# Altium PCB SMPSProject.PcbDoc
Units mil, origin at the board's own origin, x right, y up, seen from the top; angles counter-clockwise.
Board outline 6550 x 4800 mil, 2 copper layers (Top Layer, Bottom Layer); 66 components, 50 nets, 235 pads, 21 vias.
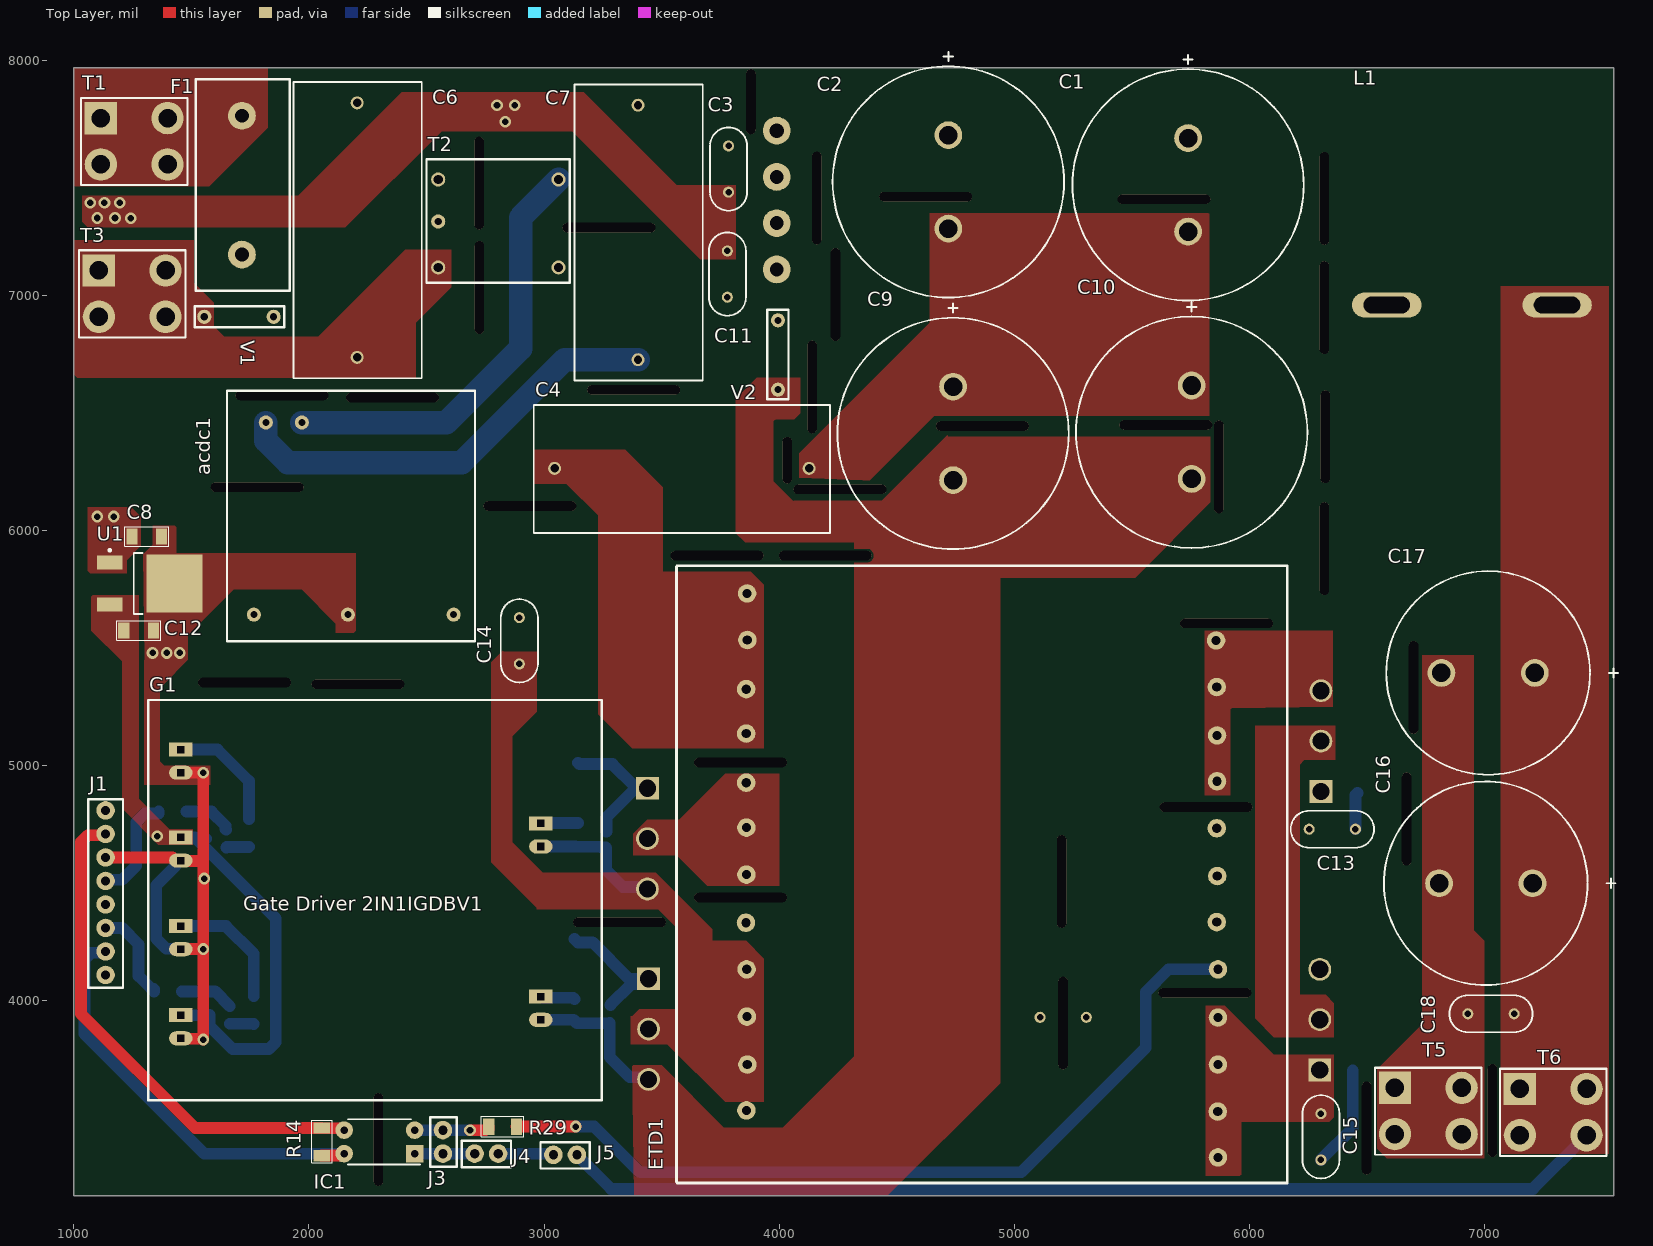
[diagram p0: Top Layer view]
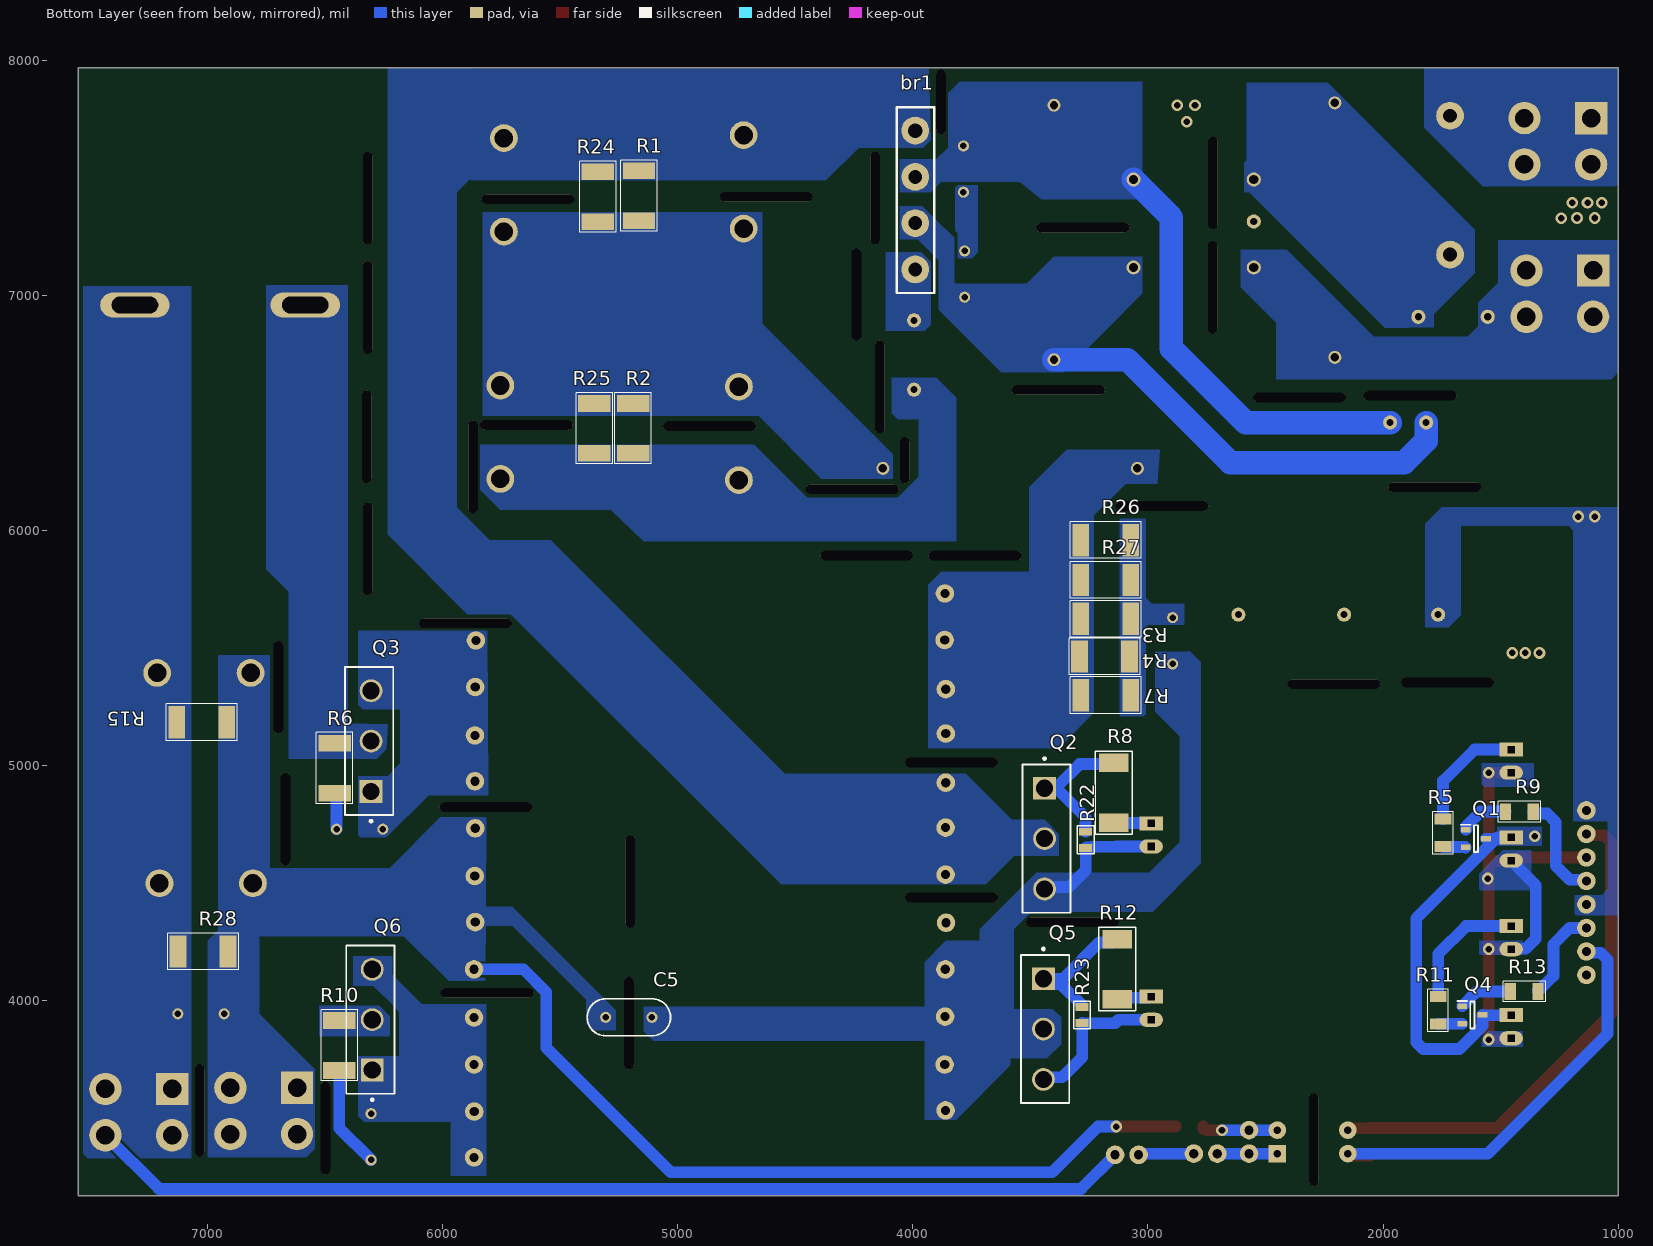
[diagram p1: Bottom Layer view, seen from below]
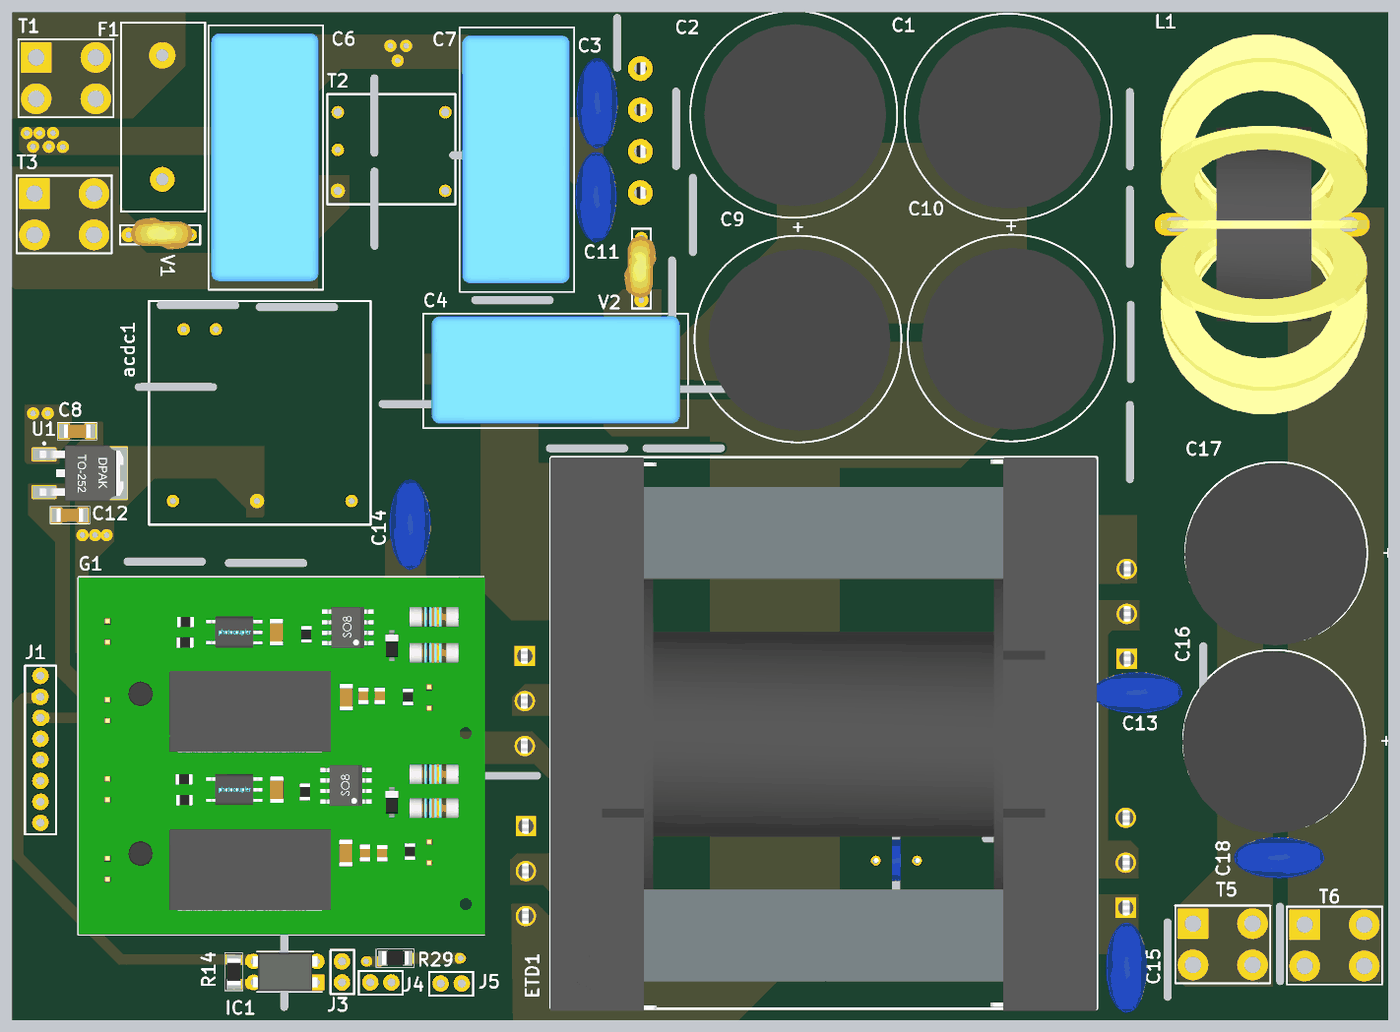
[diagram p2: 3D render of the assembled board from above, using the file's embedded part models]
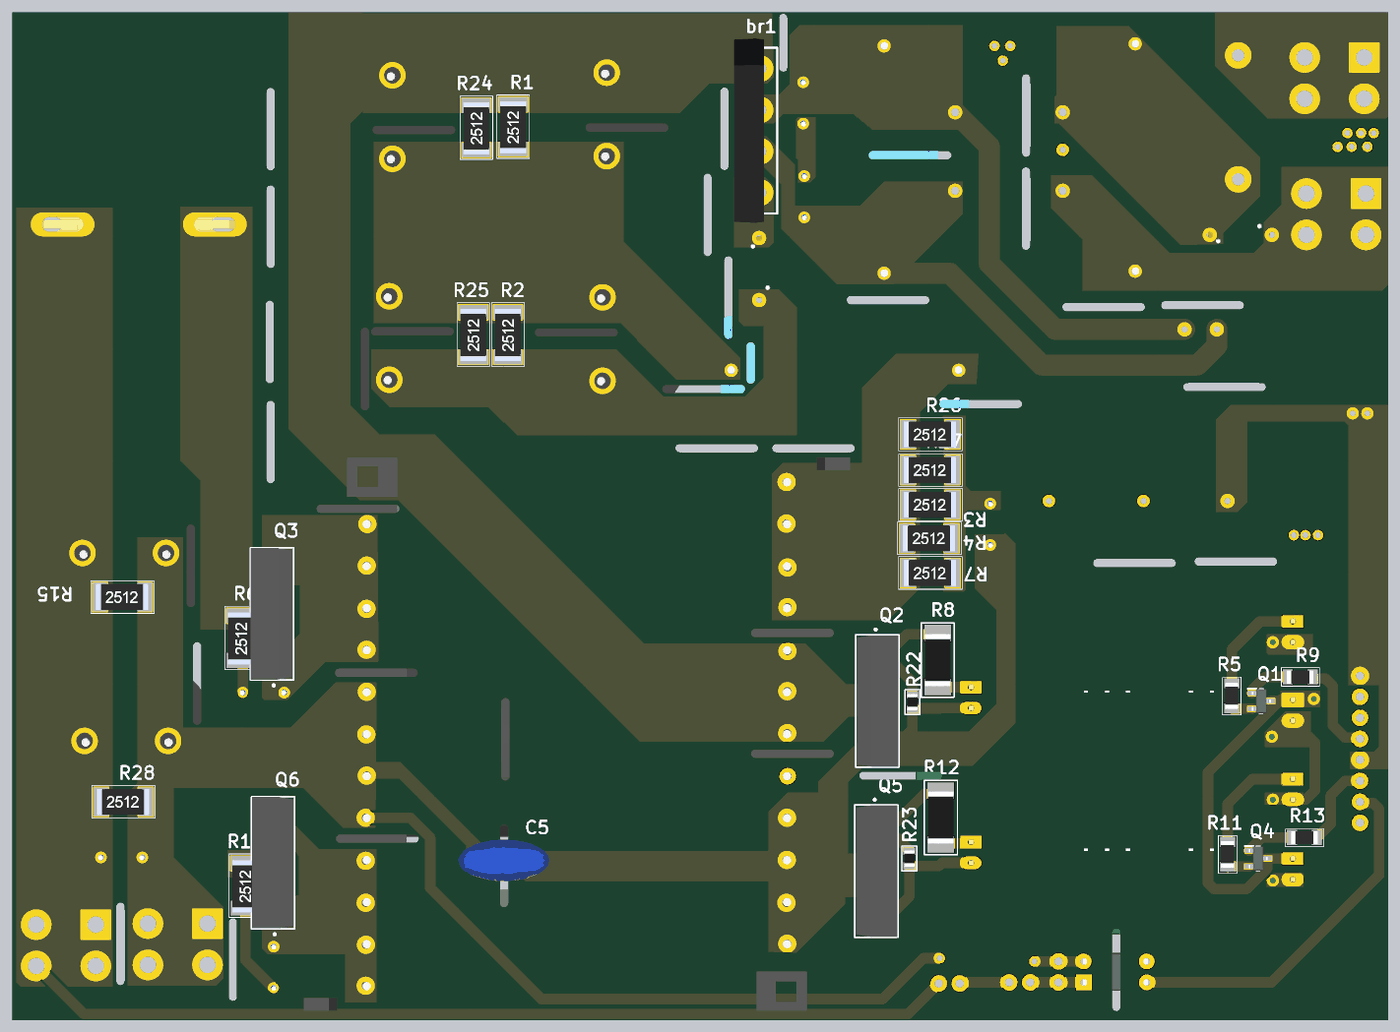
[diagram p3: 3D render of the assembled board from below, using the file's embedded part models]

## Layer stack, top to bottom
Top Solder: solder mask 0.4, Solder Resist, Dk 3.5
Top Layer: signal copper 1.4
Dielectric 1: dielectric 12.6, FR-4, Dk 4.8
Bottom Layer: signal copper 1.4
Bottom Solder: solder mask 0.4, Solder Resist, Dk 3.5

## Board outline
1000,3170 1000,7970 7550,7970 7550,3170

## Design rules (kind name [scope] priority, off if disabled: settings)
Clearance [All] p1: gap=10 ignorepadtopadclearanceinfootprint=FALSE except(0: Arc-Hole Track-Hole SMDPad-Hole THPad-Hole Via-Hole Fill-Hole Poly-Hole Region-Hole Text-Hole)
Height [All] p1: minheight=0 maxheight=99999 prefheight=500
PolygonConnect [All] p1: connectstyle=Direct reliefconductorwidth=10 reliefentries=4 polygonreliefangle="90 Angle" airgapwidth=10
RoutingVias [All] p1: holewidth=28 width=50 viastyle="Through Hole" minholewidth=28 minwidth=50 maxholewidth=28 maxwidth=50
SolderMaskExpansion [All] p1: expansion=4 istentingtop=FALSE
Width [All] p1: maxlimit=99999 minlimit=10 preferedwidth=10 minimp=50.000000 maximp=50.000000 favimp=50.000000
29 further rules are at their usual default settings.

## Components (designator, comment, footprint, x,y, rotation, side; value= is the part's Value field where it differs from the comment)
acdc1 "ac/dc" ac/dc 1816.46,6460 r270 top
br1 "Rectifier" Rectifier 4068.74,7011.3 r180 bottom
C1 "220uF" Koshin 5740,7272.36 r90 top
C2 "220uF" Koshin 4720,7285 r90 top
C3 "2n2 2000v" "2n2 2000v" 3785,7440 r90 top
C4 "2.2uF X2" "CAP.POL 2.2UF  x2" 3045,6265 r0 top
C5 "2n2 2000v" "2n2 2000v" 5306.85,3930 r180 bottom
C6 "2.2uF X2" "CAP.POL 2.2UF  x2" 2205,6737.32 r90 top
C7 "2.2uF X2" "CAP.POL 2.2UF  x2" 3400,6727.32 r90 top
C8 "uF" C-1206 1310,5975 r0 top
C9 "220uF" Koshin 4740,6215 r90 top
C10 "220uF" Koshin 5755,6220 r90 top
C11 "2n2 2000v" "2n2 2000v" 3780,6993.15 r90 top
C12 "uF" C-1206 1275,5575 r180 top
C13 "2n2 2000v" "2n2 2000v" 6451.85,4730 r180 top
C14 "2n2 2000v" "2n2 2000v" 2895,5433.15 r90 top
C15 "2n2 2000v" "2n2 2000v" 6305,3323.15 r90 top
C16 "63v 4700uF" "Koshin 63v 4700 cap" 6807.36,4500 r0 top
C17 "63v 4700uF" "Koshin 63v 4700 cap" 6817.36,5395 r0 top
C18 "2n2 2000v" "2n2 2000v" 7126.85,3945 r180 top
ETD1 "ETD-59" ETD-59 4830,4545 r270 top
F1 "fuse" "fuse holder" 1518.15,7020.91 r0 top
G1 "GateDriver Board" "Gate Driver" 1316.22,3576.89 r0 top
IC1 "EL817(C)" DIP762W60P254L458H480Q4N 2300,3400 r180 top
J1 "8 Pin" "8 pin connector" 1135,4810 r180 top
J3 "2 Pin" 2pin 2570,3350 r0 top
J4 "2 Pin" 2pin 2705,3350 r270 top
J5 "2 Pin" 2pin 3040,3345 r270 top
L1 "Lgrid" Lgrid 7005.75,6936.77 r180 top
Q1 "BC817-40,235" SOT95P230X110-3N 1605,4690 r180 bottom
Q2 "Sic Mosfet" IFX-PG-TO247-3-41 3440,4690 r270 bottom
Q3 "Schotky" IFX-PG-TO247-3-41 6305,5105 r90 bottom
Q4 "BC817-40,235" SOT95P230X110-3N 1620,3940 r180 bottom
Q5 "Sic Mosfet" IFX-PG-TO247-3-41 3445,3880 r270 bottom
Q6 "Schotky" IFX-PG-TO247-3-41 6300,3920 r90 bottom
R1 "150k 1w" R-2512 5165,7425 r90 bottom
R2 "150k 1w" R-2512 5190,6435 r90 bottom
R3 "220 2w" R-2512 3180,5625 r180 bottom
R4 "220 2w" R-2512 3185,5465 r180 bottom
R5 "R-1206" R-1206 1745,4715 r90 bottom
R6 "10 1w" R-2512 6460,4990 r90 bottom
R7 "220 2w" R-2512 3180,5300 r180 bottom
R8 "1" R-2512W 3145,4885 r90 bottom
R9 "R-1206" R-1206 1420,4805 r0 bottom
R10 "10 1w" R-2512 6440,3810 r90 bottom
R11 "R-1206" R-1206 1765,3960 r90 bottom
R12 "1" R-2512W 3130,4135 r90 bottom
R13 "R-1206" R-1206 1400,4040 r0 bottom
R14 "R-1206" R-1206 2055,3400 r270 top
R15 "220 2w" R-2512 7025,5185 r180 bottom
R22 "10K" R-0805R 3265,4685 r90 bottom
R23 "10K" R-0805R 3280,3940 r90 bottom
R24 "150k 1w" R-2512 5340,7420 r90 bottom
R25 "150k 1w" R-2512 5355,6435 r90 bottom
R26 "220 2w" R-2512 3180,5960 r180 bottom
R27 "220 2w" R-2512 3180,5790 r180 bottom
R28 "220 2w" R-2512 7020,4210 r180 bottom
R29 "R-1206_1" R-1206 2824.06,3465 r0 top
T1 "TCon" tCon 1115,7755 r0 top
T2 "Transformer" Transformer 2550,7120 r90 top
T3 "TCon" tCon 1106.54,7106.85 r0 top
T5 "TCon" tCon 6620,3630 r0 top
T6 "TCon" tCon 7151.54,3625 r0 top
U1 "L78M05CDT" TO-252 1310,5775 r0 top
V1 "Varistor" varistor 1554.72,6910 r0 top
V2 "NTC" varistor 3995,6599.72 r90 top

## Footprints (in the part's own frame and the unit in brackets; to place one, negate y for a bottom-side part, rotate by r counter-clockwise, add the part's x,y. Pads: shape width x height; smd on the part's side, far side on the other; paste and mask are expansions set on the pad)
"2n2 2000v" [mm]
  round 1.2 hole 0.7: 1(0,0) 2(5,0)
  silkscreen extent -2,-2 7,2, body extent -3.05,-2.47 7.95,2.53, height 12.5
2pin [mm]
  round 2 hole 1: 1(0,0) 2(0,2.54)
  silkscreen extent -1.38,-1.4 1.48,3.93
"8 pin connector" [mm]
  round 2 hole 1: 1(0,0) 2(0,2.54) 3(0,5.08) 4(0,7.62) 5(0,10.16) 6(0,12.7) 7(0,15.24) 8(0,17.78)
  silkscreen extent -1.88,-1.22 1.88,19.15
ac/dc [mil]
  round 60 hole 30: 1(0,153.54) 2(0,0) 3(817.32,799.21) 4(817.32,349.21) 5(817.32,-50.79)
  silkscreen extent -135,-165 930,890
C-1206 [mm]
  rect 1.2x1.7 smd: 1(-1.6,0) 2(1.6,0)
  silkscreen extent -2.4,-1.05 2.37,1.05, body extent -1.6,-0.8 1.6,0.8, height 1
"CAP.POL 2.2UF  x2" [mm]
  round 1.4 hole 0.9: 1(0,0) 2(27.5,0)
  silkscreen extent -2.25,-6.98 29.75,6.86, body extent -1.22,-6.45 28.77,6.55, height 23.01
DIP762W60P254L458H480Q4N [mm]
  rect 1.9x1.9 hole 0.8: 1(-3.81,1.27)
  round 1.9 hole 0.8: 2(-3.81,-1.27) 3(3.81,-1.27) 4(3.81,1.27)
  silkscreen extent -4.41,-2.44 3.4,2.44, body extent -3.96,-2.29 3.96,2.29, height 4.8
ETD-59 [mm]
  round 2 hole 1: 1(-30.175,-24.536) 2(-25.146,-24.511) 3(-19.837,-24.638) 4(-15.037,-24.638) 5(-9.728,-24.638) 6(-4.877,-24.613) 7(0.203,-24.613) 8(5.41,-24.663) 9(10.439,-24.587) 10(15.545,-24.562) 11(20.726,-24.511) 12(25.679,-24.613) 13(30.759,26.34) 14(25.806,26.314) 15(20.726,26.34) 16(15.646,26.34) 17(10.439,26.34) 18(5.334,26.213) 19(0.356,26.264) 20(-4.801,26.213) 21(-9.881,26.238) 22(-14.834,26.238) 23(-20.066,26.213) 24(-25.095,26.137)
  silkscreen extent -33.17,-32.18 33.53,33.83, body extent -33.12,-32.24 33.78,33.86, height 44.98
"fuse holder" [mm]
  round 3 hole 1.5: 1(5,3.9) 2(5,18.9)
  silkscreen extent 0,0 10.16,22.86
"Gate Driver" [mil]
  rect 99.37x60 hole 30 square: 1(138.78,1492.13) 3(138.78,1118.11) 5(138.78,741.14) 7(138.78,362.2) 9(1670.28,1178.15) 11(1670.28,440.94)
  oval 99.37x60 hole 30 square: 2(138.78,1393.7) 4(138.78,1019.69) 6(138.78,642.72) 8(138.78,263.78) 10(1670.28,1079.72) 12(1670.28,342.52)
  silkscreen extent 0,0 1929,1703, body extent 0,0 1933,1703, height 565
IFX-PG-TO247-3-41 [mm] "TO247-Diode; 3 pin, 5.44 mm pitch, 15.90 mm L X 5.00 mm W X 26.00 mm H body"
  rect 2.46x2.46 hole 1.86 paste+0 mask+0: 1(-5.44,0)
  round 2.46 hole 1.86 paste+0 mask+0: 2(0,0) 3(5.44,0)
  silkscreen extent -8.77,-2.4 8,2.8, body extent -7.95,-2.23 7.95,2.77, height 26
Koshin [mm]
  round 3 hole 2: 1(0,0) 2(10.1,0)
  silkscreen extent -7.45,-12.5 19.1,12.5, body extent -6.05,-11.18 15.95,10.82, height 49.77
"Koshin 63v 4700 cap" [mm]
  round 3 hole 2: 1(0,0) 2(10.1,0)
  silkscreen extent -5.95,-11 19.1,11, body extent -6.05,-11.18 15.95,10.82, height 49.77
Lgrid [mm]
  oval 7.5x2.7 hole 1.8 slot 5 at 0 deg: 1(10.687,-0.59) 2(-7.713,-0.59)
  body extent -11.28,-23.59 13.72,22.41, height 48.01
R-0805R [mm] "resistor 0805 reflow soldering"
  rect 0.85x1.4 smd: 1(-0.875,0) 2(0.875,0)
  silkscreen extent -1.5,-0.9 1.5,0.9, body extent -1,-0.63 1,0.62, height 0.5
R-1206 [mm]
  rect 1.2x1.8 smd: 1(-1.5,0) 2(1.5,0)
  silkscreen extent -2.32,-1.1 2.27,1.12, body extent -1.6,-0.77 1.6,0.83, height 0.56
R-2512 [mm]
  rect 1.8x3.5 smd: 1(-2.7,0) 2(2.7,0)
  silkscreen extent -3.83,-1.97 3.85,1.97, body extent -3.21,-1.57 3.09,1.58, height 0.59
R-2512W [mm] "resistor 2512 wave soldering"
  rect 2x3.2 smd: 1(-3.25,0) 2(3.25,0)
  silkscreen extent -4.5,-2 4.5,2, body extent -3.15,-1.55 3.15,1.55, height 0.55
Rectifier [mm]
  round 3 hole 1.54: 1(2,17.54)
  round 3 hole 1.5: 2(2,12.54) 3(2,7.54) 4(2,2.54)
  silkscreen extent 0,0 4.06,20.07, body extent -1.14,-1.12 2.47,21.18, height 21.16
SOT95P230X110-3N [mm]
  rect 1.05x0.6 smd: 1(-1.1,0.95) 2(-1.1,-0.95) 3(1.1,0)
  silkscreen extent -1.63,-1.45 0.23,1.5, body extent -1.15,-1.45 1.15,1.45, height 1.1
tCon [mm]
  round 3.5 hole 2: 1(0,-5) 1(7.2,-5) 1(7.2,0)
  rect 3.5x3.5 hole 2: 1(0,0)
  silkscreen extent -2.15,-7.22 9.35,2.17
TO-252 [mm]
  rect 2.8x1.5 smd: 1(-4,2.275) 2(-4,-2.275)
  rect 6.1x6.3 smd: 3(3,0)
  silkscreen extent -4.12,-3.3 -0.45,3.72, body extent -4.52,-3.37 5.58,3.37, height 2.41
Transformer [mil]
  round 60 hole 39.37: 1(0,-511.81) 2(374.02,-511.81) 3(374.02,0) 4(0,0)
  round 60 hole 30: 5(195,0)
  silkscreen extent -65,-560 460,50
varistor [mil]
  round 60 hole 30: 1(0,0) 2(295.28,0)
  silkscreen extent -40,-45 340,45, body extent 10,-70 305,82, height 423

## Part data
C1 C2 C9 C10: library part "CAP.EL.220uF 500V", ComponentLink1Description=https://www.ozdisan.com/pasif-komponentler/kondansatorler/aluminyum-kondansatorler/K055002210PM0E040, ComponentLink1URL=https://www.ozdisan.com/pasif-komponentler/kondansatorler/aluminyum-kondansatorler/K055002210PM0E040
C8 C12: library part C-1206
C16 C17: library part "Aluminum Electrolytic Capacitors", "PKL5-063V472MM450 Aluminum Electrolytic Capacitors - Snap In 63volts 4700uF 20%", Capacitance=4.7mF, Case/Package=Radial, Manufacturer=Nichicon, Manufacturer Part Number=LKS1J472MESZ, Max Operating Temperature=85°C, Min Operating Temperature=-40°C, Package Quantity=250, Ripple Current=3A, Supplier Part Number 1=647-LKS1J472MESZ, Tolerance=20%, Voltage Rating=63V, ComponentLink2Description=https://www.ozdisan.com/pasif-komponentler/kondansatorler/aluminyum-kondansatorler/PKL5-063V472MM450, ComponentLink2URL=https://www.ozdisan.com/pasif-komponentler/kondansatorler/aluminyum-kondansatorler/PKL5-063V472MM450, Diameter=22mm, Height - Seated (Max)=1.772inch, Lead Pitch=0.394inch, Length=45mm, Life (Hours)=1000Hour, Mount="Through Hole", Packaging=Bulk, RoHS=Yes, Supplier 1=Mouser, Termination="Snap in", Voltage Rating (DC)=63V
IC1: "Integrated Circuit", Manufacturer_Name=Everlight, Mouser Part Number=638-EL817C, Datasheet Link=https://componentsearchengine.com/Datasheets/1/EL817(C).pdf, Height=4.8mm, Manufacturer_Part_Number=EL817(C), Mouser Price/Stock=https://www.mouser.com/Search/Refine.aspx?Keyword=638-EL817C
Q1 Q4: "Transistor BJT NPN", Manufacturer_Name=Nexperia, Mouser Part Number=771-BC817-40235, RS Part Number=1707957, Datasheet Link=http://assets.nexperia.com/documents/data-sheet/BC817_BC817W_BC337.pdf, Height=1.1mm, Manufacturer_Part_Number=BC817-40,235, Mouser Price/Stock=https://www.mouser.com/Search/Refine.aspx?Keyword=771-BC817-40235, RS Price/Stock=http://uk.rs-online.com/web/p/products/1707957
Q2 Q3 Q5 Q6: library part "Sic Mosfet To247", "SiC Mosfet To247"
R1 R2 R3 R7 R15 R24 R25 R26 R27 R28: library part R-2512, "10 1w"
R4 R6 R10: library part R-2512
R5 R9 R11 R13 R14 R29: "Res1206"
R8 R12: library part "0207 melf", ComponentLink1Description=https://www.ozdisan.com/pasif-komponentler/direncler/smt-smd-direncler/M271UFG100KT20, ComponentLink1URL=https://www.ozdisan.com/pasif-komponentler/direncler/smt-smd-direncler/M271UFG100KT20
R22 R23: library part "10K 0805"
T1 T3 T5 T6: library part "Terminal Connector", ComponentLink1Description=https://www.ozdisan.com/konnektor-baglanti-elemanlari/terminal-konnektorler/vida-tipi-konnektorler/K36-00AH, ComponentLink1URL=https://www.ozdisan.com/konnektor-baglanti-elemanlari/terminal-konnektorler/vida-tipi-konnektorler/K36-00AH
U1: library part L78M15CDT_1, Case/Package=DPAK, Dropout Voltage=2V, Manufacturer=STMicroelectronics, Manufacturer Part Number=L78M15CDT, Max Input Voltage=35V, Max Operating Temperature=150°C, Max Output Current=500mA, Min Operating Temperature=0°C, Output Voltage=15V, Package Quantity=75, Quiescent Current=6mA, ComponentLink1Description=link, ComponentLink1URL=https://karakoyelektronik.com/regulator/ua78m15-21734, Height=2.4mm, Length=6.6mm, Min Input Voltage=35V, Mount="Surface Mount", Number of Outputs=1, Number of Pins=3, Output Current=500mA, Output Type=Fixed, Packaging=Rail/Tube, Polarity=Positive, Radiation Hardening=No, RoHS=Yes, Supplier 1=Avnet, Supplier Part Number 1=L78M15CDT, Width=6.2mm
V2: library part Varistor, ComponentLink1Description=Link, ComponentLink1URL=https://ozdisan.com/power-semiconductors/circuit-protection-components/varistors/TVR10391KSY
V1: ComponentLink1Description=Link, ComponentLink1URL=https://ozdisan.com/power-semiconductors/circuit-protection-components/varistors/TVR10391KSY

## Free pads (board coordinates)
  oval 393.7x39.37 hole 39.37 slot 393.7 at 0 deg unplated mask+0: 110(1726.32,5354.21) 110(1780,6185) 110(1885,6575) 110(2208.59,5346.96) 110(2355.37,6566.2) 110(2940,6105) 110(3276.32,7289.21) 110(3321.32,4334.21) 110(3381.32,6599.21) 110(3736.32,5894.21) 110(3836.32,4439.21) 110(3836.32,5014.21) 110(4196.32,5894.21) 110(4258.68,6175.79) 110(4623.68,7420.79) 110(4865,6445) 110(5637.56,7409.64) 110(5645,6450) 110(5811.32,4034.21) 110(5816.32,4824.21) 110(5903.68,5605.79)
  oval 39.37x393.7 hole 39.37 slot 393.7 at 90 deg unplated mask+0: 110(2295,3410) 110(2724.21,7478.68) 110(2725,7035) 110(4140.79,6611.32) 110(4160,7415) 110(4240,7005) 110(5202.38,4507.7) 110(5208.28,3905.44) 110(5870.79,6271.32) 110(6319.21,5923.68) 110(6319.21,6948.68) 110(6319.21,7413.68) 110(6323.52,6399.65) 110(6499.21,3458.68) 110(6669.21,4773.68) 110(6699.21,5333.68) 110(7034.21,3533.68)
  oval 39.37x275.59 hole 39.37 slot 275.59 at 90 deg unplated mask+0: 110(3880,7825)
  oval 39.37x196.85 hole 39.37 slot 196.85 at 90 deg unplated mask+0: 110(4035,6300)

## Via types
v1: diameter 50, hole 28, Top Layer to Bottom Layer, 21 vias

## Nets (pads, with @x,y where several pads share a name; then routed paths per layer and width w, separated by ;. In a path a pad name is that pad's centre, name@x,y a point inside that pad or via, vN(x,y) a via of type N, cw(c..) or ccw(c..) an arc to the next point about the centre after c; other vN are vias at no path point)
5V: C12.2 G1.3 G1.7 Q1.3 Q4.3 U1.2 | length 1623.3
  Bottom Layer w50: G1.7 1575.79,3939.09 Q4.3 1576.69,3894.09 1675.78,3795 1829.44,3795 1858.72,3824.29 1858.72,4350.49 1514.22,4695 1479.69,4695 G1.3 ; 1514.22,4690 Q1.3
  other v1: 1355,4700
5V_gnd: acdc1.4 C8.2 C12.1 G1.2 G1.4 G1.6 G1.8 J1.3 U1.3 | length 2361.5
  Top Layer w50: J1.3 1419.18,4610 1432.61,4596.57 G1.4 1456.91,4594.66 1540.34,4594.66 1550,4585 ; G1.8 1456.91,3838.76 1546.24,3838.76 v1(1550,3835) v1(1550,4220) ; G1.6 1455.39,4220 v1(1550,4220) ; G1.2 1455.59,4970 v1(1550,4970) 1550,4585 ; v1(1550,4220) 1550,4515 v1(1555,4520) 1550,4525 1550,4585
  Bottom Layer w50: G1.6 1453.09,4221.52 1392.77,4221.52 1350,4264.29 1350,4491.57 1433.4,4574.98 1433.4,4591.96 1438.02,4596.57 G1.4
  other v1: 1335,5480 1395,5480 1450,5480
12v: acdc1.5 C8.1 J1.1 J1.5 U1.1
  other v1: 1100,6060 1170,6060
GND: C9.1 C10.1 G1.12 Q5.3 R2.1 R23.1 R25.1 V2.1 | length 649.3
  Bottom Layer w50: G1.12 3125.59,3919.41 3140,3905 3279.45,3905 R23.1 3280,3760 3365.21,3674.79 3436.04,3674.79 Q5.3
GND1: C5.1 C16.1 C17.1 C18.2 ETD1.17 ETD1.18 ETD1.19 ETD1.20 R15.2 R28.2 R29.2 T5.1 | length 3561.1
  Top Layer w50: R29.2 v1(3135,3465)
  Bottom Layer w50: v1(3135,3465) 3213.79,3465 3408.17,3270.62 5030.62,3270.62 5560,3800 5560,4037.39 5656.61,4134 ETD1.17
inv: IC1.3 J1.2 R14.1 | length 2174.7
  Top Layer w50: J1.2 1129.5,4704.5 1059.29,4704.5 1030,4675.21 1030,3945 1515.94,3459.06 R14.1 2056.38,3457.68 2135.61,3457.68 2143.29,3450 IC1.3
L: acdc1.1 br1.2 C3.2 C7.2 T2.2 | length 1846.5
  Bottom Layer w100: acdc1.1 2585,6460 2900,6775 2900,7332.2 T2.2
N: acdc1.2 br1.3 C7.1 C11.1 T2.1 | length 1879.9
  Bottom Layer w100: acdc1.2 1816.46,6383.54 1910,6290 2650,6290 3087.32,6727.32 C7.1
Netbr1_4: br1.4 V2.2
NetC1_1: C1.1 C2.1 C4.2 C9.2 C10.2 R1.1 R2.2 R24.1 R25.2
NetC4_1: C4.1 ETD1.1 ETD1.2 ETD1.3 ETD1.4 R3.1 R4.1 R7.1 R26.1 R27.1
NetC5_2: C5.2 C14.1 ETD1.9 ETD1.10 ETD1.11 ETD1.12 G1.10 Q2.3 Q5.2 R22.1 | length 584.4
  Bottom Layer w50: G1.10 3132.63,4656.61 3134.25,4655 3239.92,4655 3241.81,4653.11 3262.44,4653.11 R22.1 3265,4555 3335.21,4484.79 3431.04,4484.79 Q2.3
NetC6_1: C6.1 T2.4 T3.1 V1.1
NetC6_2: C6.2 F1.1 T2.3 V1.2
NetC13_1: C13.1 R6.1 | length 157.1
  Bottom Layer w50: C13.1 6451.85,4875.55 R6.1
NetC13_2: C13.2 ETD1.21 ETD1.22 ETD1.23 ETD1.24 Q3.1 Q3.3
NetC14_2: C14.2 R3.2 R4.2 R7.2 R26.2 R27.2
NetC15_1: C15.1 R10.1 | length 436.5
  Bottom Layer w50: C15.1 6440,3458.15 R10.1
NetC15_2: C15.2 ETD1.13 ETD1.14 ETD1.15 ETD1.16 Q6.1 Q6.3
NetC21_1: 
NetC23_2: 
NetC24_1: 
NetC25_1: 
NetC26_1: 
NetF1_2: F1.2 T1.1
NetG1_1: G1.1 R5.2 | length 506.5
  Bottom Layer w50: G1.1 1610.98,5069.02 1745,4935 R5.2
NetG1_5: G1.5 R11.2 | length 539.8
  Bottom Layer w50: G1.5 1646.97,4318.03 1765,4200 R11.2
NetG1_9: G1.9 R8.1 | length 159.3
  Bottom Layer w50: G1.9 2987.5,4756.04 3144,4756.04 R8.1
NetG1_11: G1.11 R12.1 | length 148
  Bottom Layer w50: G1.11 2991.5,4012.83 3124.21,4012.83 R12.1
NetIC1_1: IC1.1 J3.1 J4.1 | length 255
  Bottom Layer w50: IC1.1 J3.1 J4.1
NetIC1_2: IC1.2 J3.2 R29.1 | length 326.5
  Top Layer w50: v1(2685,3450) 2750,3450 2754.57,3454.57 2763.62,3454.57 2765,3455.94 R29.1
  Bottom Layer w50: IC1.2 J3.2 v1(2685,3450)
NetJ1_4: J1.4 R9.1 | length 460.4
  Bottom Layer w50: J1.4 1140.5,4515.5 1205.5,4515.5 1265,4575 1265,4760 1301.94,4796.94 1359.57,4796.94 1360.94,4798.32 R9.1
NetJ1_6: J1.6 R13.1 | length 401.6
  Bottom Layer w50: J1.6 1205,4310 1275,4240 1275,4105.94 1330.51,4050.43 1339.57,4050.43 1340.94,4049.06 R13.1
NetJ2_4: 
NetJ2_6: 
NetJ4_2: J4.2 J5.1 | length 241.2
  Bottom Layer w50: J4.2 3017.22,3350 3032.22,3335 J5.1@3040,3335
NetL1_1: L1.1 Q3.2 Q6.2 R6.2 R10.2
NetQ1_1: Q1.1 R9.2 | length 209.8
  Bottom Layer w50: R9.2 1585,4805 1645,4745 1645,4730.71 Q1.1
NetQ1_2: Q1.2 R5.1 | length 98.1
  Bottom Layer w50: Q1.2 1650.28,4654.57 1743.62,4654.57 R5.1
NetQ2_1: Q2.1 R8.2 R22.2 | length 576.2
  Bottom Layer w50: R8.2 3150.69,5007.26 3291.05,5007.26 3389.17,4909.14 3435.04,4909.14 Q2.1 ; R22.2 3265.75,4720.2 3265.75,4780.75 3389.17,4904.17
NetQ4_1: Q4.1 R13.2 | length 230.2
  Bottom Layer w50: R13.2 1600.71,4040 Q4.1
NetQ4_2: Q4.2 R11.1 | length 102.4
  Bottom Layer w50: Q4.2 1663.58,3902.32 1763.62,3902.32 R11.1
NetQ5_1: Q5.1 R12.2 R23.2 | length 593.5
  Bottom Layer w50: R12.2 3144.37,4248.58 3206.42,4248.58 3360.83,4094.17 3421.57,4094.17 Q5.1 3421.57,4070.75 3370.59,4070.75 R23.2@3282.56,3982.72
NetR16_1: 
NetR18_3: 
NetR19_3: 
pN: C3.1 C11.2
  other v1: 1241.72,7329.03 1100,7330 1175,7330 1070,7395 1130,7395 1195,7395 2835,7740 2800,7810 2875,7810
VDC: br1.1 C1.2 C2.2 ETD1.5 ETD1.6 ETD1.7 Q2.2 R1.2 R24.2
Vout: C16.2 C17.2 C18.1 J5.2 L1.2 R15.1 R28.1 T6.1 | length 4449.6
  Bottom Layer w50: J5.2 3285,3200 7206.85,3200 T6.1@7435,3428.15
vref: IC1.4 J1.7 R14.2 | length 1834.6
  Top Layer w50: R14.2 2056.38,3342.32 2135.61,3342.32 2143.29,3350 IC1.4
  Bottom Layer w50: J1.7 1129.5,4204.5 1074.29,4204.5 1045,4175.21 1045,3860 1555,3350 IC1.4
pads on no net: acdc1.3 ETD1.8 J1.8 T2.5

## Polygon pours and split planes (outlines as drawn)
5V on Bottom Layer "5V_L02_P043" (solid, pour order 43): 1325,4740 1515,4740 1515,4655 1510,4660 1325,4660
5V_gnd on Bottom Layer "5V_GND_L02_P042" (solid, pour order 42): 1405,3870 1550,3870 1580,3840 1580,3805 1405,3805
5V_gnd on Bottom Layer "5V_GND_L02_P041" (solid, pour order 41): 1405,4255 1590,4255 1590,4195 1405,4195
5V_gnd on Bottom Layer "5V_GND_L02_P040" (solid, pour order 40): 1370,4640 1490,4640 1590,4540 1590,4475 1585,4470 1370,4470
5V_gnd on Bottom Layer "5V_GND_L02_P039" (solid, pour order 39): 1360,5010 1580,5010 1580,4920 1570,4910 1360,4910
pN on Bottom Layer "PN_L02_P025" (solid, pour order 25): 3725,7470 3810,7470 3820,7460 3820,7275 3810,7265 3810,7160 3750,7160 3725,7185
12v on Bottom Layer "12V_L02_P023" (solid, pour order 23): 1000,4365 1180,4365 1185,4370 1185,4450 1070,4450 1045,4475 1045,4765 1190,4765 1190,6000 1210,6020 1670,6020 1670,5640 1720,5590 1820,5590 1820,6030 1750,6100 1000,6100
NetL1_1 on Bottom Layer "NETL1_1_L02_P020" (solid, pour order 20): 6225,3935 6270,3980 6525,3980 6525,3850 6230,3850 6225,3855
Vout on Bottom Layer "VOUT_L02_P018" (solid, pour order 18): 7070,7040 7530,7040 7530,3350 7510,3330 7070,3330
NetC15_2 on Bottom Layer "NETC15_2_L02_P017" (solid, pour order 17): 6185,3765 6185,3950 6202.5,3972.5 6295,4065 6380,4065 6380,4190 6215,4190 6215,4110 6090,3985 5815,3985 5815,3255 5965,3255 5965,3485 6335,3485 6360,3510 6360,3765 6250,3765
NetL1_1 on Bottom Layer "NETL1_1_L02_P016" (solid, pour order 16): 6234.71,5175.85 6405,5180 6405,6880 6405,6920 6405,6960 6405,7045 6750,7045 6750,5835 6655,5740 6655,5030 6280,5030 6240,5070
GND1 on Bottom Layer "GND1_L02_P015" (solid, pour order 15): 5817.52,4400.05 5705.05,4400.05 5265,3960 5265,3875 5350,3875 5355,3870 5390,3905 5390,4005 5705,4320 5818.09,4319.99 5819.78,4085 5975,4085 6165,4275 6780,4275 6780,3945 6545,3710 6545,3370 6580,3335 7000,3335 7000,4255 6955,4300 6955,5470 6735,5470 6735,4565 6225,4565 6010,4780 5814.78,4780
NetC13_2 on Bottom Layer "NETC13_2_L02_P014" (solid, pour order 14): 5810.67,5575 6360,5575 6360,5260 6340,5240 6180,5240 6180,5010 6235,4955 6360,4955 6360,4705 6350,4695 6240,4695 6060,4875 5805.74,4875
NetC5_2 on Bottom Layer "NETC5_2_L02_P011" (solid, pour order 11): 3950,3980 3955,3975 5145,3975 5145,3870 5105,3830 3950,3830 3950,3495 3818.38,3491.63 3585,3725 3585,3755 3430,3755 3370,3815 3370,3930 3405,3965 3570,3965 3570,4305 3495,4380 2980,4380 2775,4585 2775,5440 2825,5490 2830,5485 2970,5485 2970,5230 2865,5125 2865,4675 2995,4545 3475,4545 3715,4305 3715,4255 3860,4255 3950,4165
NetC14_2 on Bottom Layer "NETC14_2_L02_P010" (solid, pour order 10): 2845,5690 2985,5690 3010,5715 3010,6050 3125,6050 3120,6045 3120,5210 3020,5210 3010,5220 3010,5590 3000,5600 2845,5600
NetC4_1 on Bottom Layer "NETC4_1_L02_P009" (solid, pour order 9): 2950,6345 3345,6345 3505,6185 3505,5825 3880,5825 3935,5770 3935,5075 3380,5075 3230,5225 3230,6065 3095,6200 2960,6200
GND on Bottom Layer "GND_L02_P008" (solid, pour order 8): 5755,6090 5285,6090 5145,5955 3815,5955 3815,6565 3900,6650 4090,6650 4090,6500 4065,6475 3975,6475 3975,6230 4065,6140 4450,6140 4675,6365 5840,6365 5840,6175
Netbr1_4 on Bottom Layer "NETBR1_4_L02_P007" (solid, pour order 7): 3925,7145 3965,7185 4115,7185 4115,6850 3950,6850 3925,6875
NetC1_1 on Bottom Layer "NETC1_1_L02_P006" (solid, pour order 6): 4640,7355 4640,6880 4085,6325 4085,6220 4389.03,6220 4655,6490 5830,6490 5830,7355
VDC on Bottom Layer "VDC_L02_P005" (solid, pour order 5): 3440,4770 3580,4770 3775,4965 4545,4965 5540,5960 5800,5960 5940,6100 5940,7440 5880,7500 5880,7490 4370,7490 4230,7630 3955,7630 3923.82,7661.18 3933.03,7965 5880,7965 5885,7970 6235,7970 6235,5985 5895,5645 5710,5645 4560,4495 3690,4495 3568.82,4616.18 3378.83,4616.18 3378.83,4708.83
N on Bottom Layer "N_L02_P004" (solid, pour order 4): 3025,7011.03 3356.49,6675 3625,6675 3890,6940 3890,7150 3980,7240 4055,7240 4055,7380 3959.64,7380 3905,7325.36 3825,7245.36 3825,7050.18 3514.82,7050.18 3400,7165 3025,7165
L on Bottom Layer "L_L02_P003" (solid, pour order 3): 4055,7580 4055,7440 3925,7440 3880,7485 3546.41,7485 3455,7410 3045,7410 3025,7430 3025,7910 3800,7910 3850,7860 3850,7630 3900,7580
NetC6_2 on Bottom Layer "NETC6_2_L02_P002" (solid, pour order 2): 1785,6866.22 1785,6920 1610,7095 1610,7280 2235,7905 2580,7905 2580,7575 2590,7565 2590,7440 2570,7440 1991.19,6861.19
NetC6_1 on Bottom Layer "NETC6_1_L02_P001" (solid, pour order 1): 1000,6675 1030,6645 2455,6645 2455,6885 2605,7035 2605,7195 2410,7195 2040,6825 1640,6825 1595,6870 1595,6970 1510,7055 1510,7235 1000,7235
NetF1_2 on Bottom Layer "NETF1_2_L02_P000" (solid, pour order 0): 1575,7465 1825,7715 1825,7965 1830,7970 1000,7970 1000,7475 1010,7465
NetC1_1 on Top Layer "NETC1_1_L01_P038" (solid, pour order 38): 4085,6225 4085,6330 4640,6885 4640,7350 5825,7350 5830,7355 5830,6490 4660,6490 4385,6215 4355,6215
VDC on Top Layer "VDC_L01_P037" (solid, pour order 37): 3380,4710 3440,4770 3575,4770 3770,4965 4000,4965 4000,4490 3695,4490 3565,4620 3380,4620
NetC15_2 on Top Layer "NETC15_2_L01_P036" (solid, pour order 36): 5815,3980 5815,3255 5960,3255 5965,3260 5965,3485 6340,3485 6360,3505 6360,3770 6105,3770 5895,3980
NetC13_2 on Top Layer "NETC13_2_L01_P035" (solid, pour order 35): 6355,5250 6355,5575 5810,5575 5810,4875 5920,4875 5920,5240 5925,5245
GND1 on Top Layer "GND1_L01_P034" (solid, pour order 34): 6735,5470 6955,5470 6955,4300 7000,4255 7000,3330 6585,3330 6545,3370 6545,3715 6550,3715 6735,3900
Vout on Top Layer "VOUT_L01_P033" (solid, pour order 33): 7070,7040 7530,7040 7530,3350 7075,3350 7070,3355
NetC5_2 on Top Layer "NETC5_2_L01_P032" (solid, pour order 32): 2775,5440 2825,5490 2830,5485 2970,5485 2970,5230 2865,5125 2865,4675 2995,4545 3475,4545 3715,4305 3715,4255 3860,4255 3935,4180 3935,3570 3770,3570 3525,3815 3370,3815 3370,3935 3375,3935 3405,3965 3570,3965 3570,4305 3485,4390 2970,4390 2970,4395 2775,4590
NetC4_1 on Top Layer "NETC4_1_L01_P031" (solid, pour order 31): 2955,6345 3345,6345 3505,6185 3505,5825 3880,5825 3935,5770 3935,5075 3375,5075 3230,5220 3230,6065 3095,6200 2955,6200
NetC6_1 on Top Layer "NETC6_1_L01_P029" (solid, pour order 29): 1000,7235 1510,7235 1510,7055 1595,6970 1595,6870 1640,6825 2040,6825 2410,7195 2605,7195 2605,7035 2455,6885 2455,6650 1015,6650 1000,6665
NetF1_2 on Top Layer "NETF1_2_L01_P028" (solid, pour order 28): 1000,7970 1825,7970 1825,7715 1575,7465 1000,7465
pN on Top Layer "PN_L01_P026" (solid, pour order 26): 2395,7865 1955,7425 1035,7425 1035,7315 1060,7290 2155,7290 2565,7700 3120,7700 3665,7155 3815,7155 3815,7470 3565,7470 3170,7865
5V on Top Layer "5V_L01_P024" (solid, pour order 24): 1075,5720 1080,5725 1275,5725 1275,4860 1405,4730 1505,4730 1505,4665 1360,4665 1205,4820 1205,5445 1075,5575
12v on Top Layer "12V_L01_P022" (solid, pour order 22): 1070,5820 1060,5830 1060,6100 1245,6100 1285,6060 1285,5935 1225,5875 1225,5820
5V_gnd on Top Layer "5V_GND_L01_P021" (solid, pour order 21): 1300.83,5450 1300,5449.17 1300,4920 1580,4920 1580,5000 1385,5000 1365,5020 1365,5345 1380,5345 1485,5450 1485,5555 1680,5750 1970,5750 2115,5605 2115,5565 2190,5565 2200,5575 2200,5905 1435,5905 1435,6015 1430,6020 1335,6020 1335,5940 1300,5905 1295,5905
NetL1_1 on Top Layer "NETL1_1_L01_P019" (solid, pour order 19): 6365,5170 6025,5170 6025,3925 6105,3845 6360,3845 6360,3990 6325,4025 6215,4025 6215,5005 6235,5025 6365,5025
GND on Top Layer "GND_L01_P012" (solid, pour order 12): 4320,5950 3855,5950 3815,5990 3815,6565 3820,6565 3905,6650 4090,6650 4090,6500 4065,6475 3985,6475 3975,6465 3975,6210 4060,6125 4062.35,6127.35 4438.55,6127.35 4438.55,6128.55 4535,6225 4715,6405 4720,6400 5835,6400 5835,6120 5515,5800 4940,5800 4940,3650 4460,3170 3382.93,3170 3375,3725 3500,3725 3765,3460 4015,3460 4320,3765

## Silkscreen, mask and mechanical layers (free items; w line width, h text height)
Mechanical 1:
  the board outline again, w10

## Text inside footprints (layer, text, board x,y; h text height)
G1: Top Overlay "Gate Driver 2IN1IGDBV1" at 1719.76,4383.98 h60